# KiCad board pcb.kicad_pcb (continued)
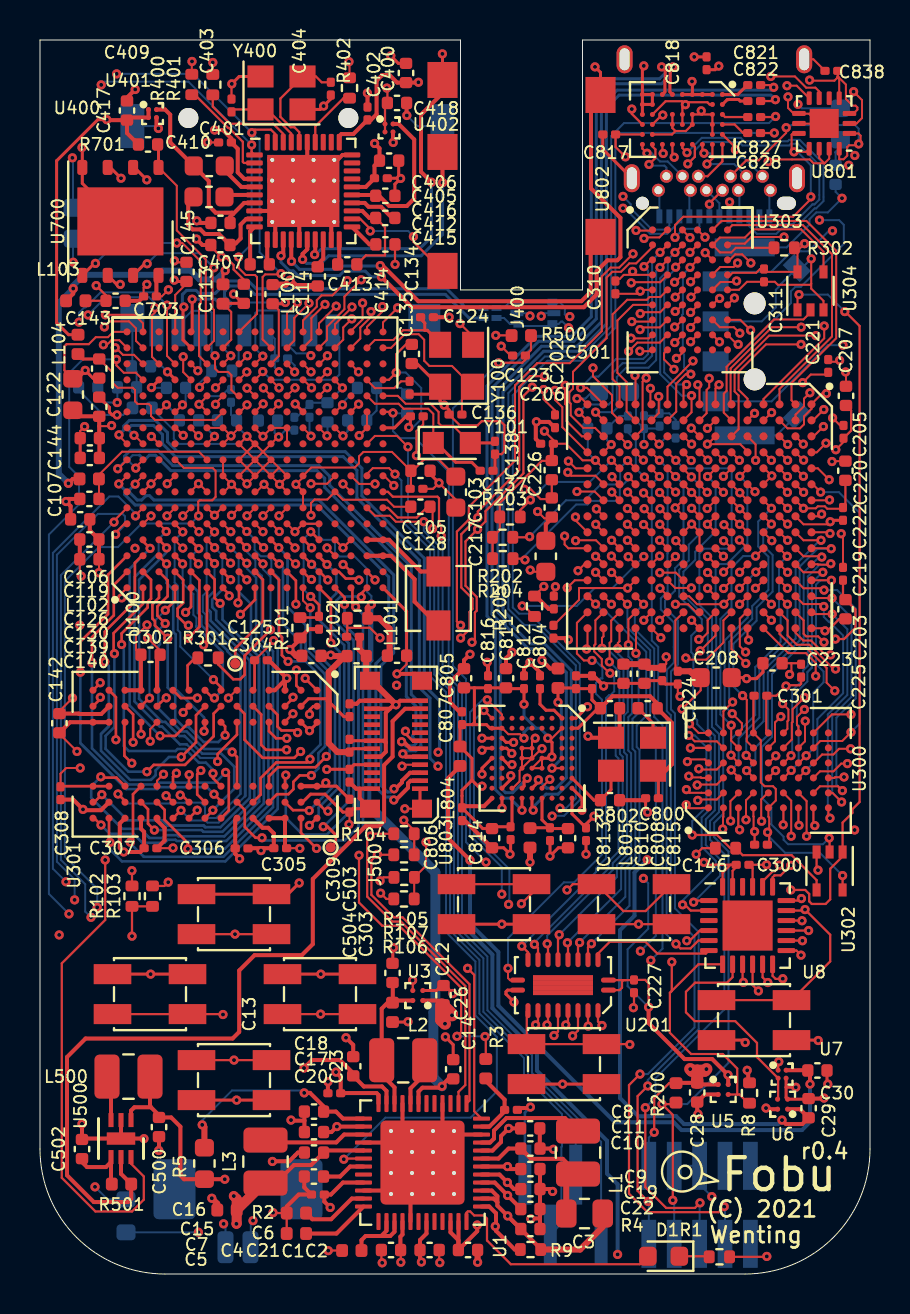
[diagram p0: board, top side]
## Routing (per net, layer and track width the routed paths; a pad name or vN(x,y) marks a point on that pad's centre or on a via; arc(x,y) is an arc through that point) (continued)
  Top w0.3: v1(16.57,33.5) 16.39,33.31 R100.1 16.96,32.8 17.48,32.28 17.48,31.04 C100.1
  In2.Cu w0.5: 14.11,3.72 14.77,3.07 21.24,3.07 v1(21.86,2.45) ; 14.11,3.72 14.11,6.64 14.58,7.11 ; 14.11,3.72 13.1,4.74 v1(9.24,4.74) ; 14.58,7.11 14.58,7.14 16.82,9.39 19.6,9.39 ; 14.58,7.11 v1(14.84,7.38) ; 23.14,7.57 21.33,9.39 19.6,9.39 ; 23.14,7.57 23.16,7.57 24.26,6.47 24.26,4.12 24.01,3.87 23.44,3.87 v1(23.38,3.93) ; 23.14,7.57 v1(23.43,7.28) ; 19.6,9.39 v1(20.1,9.39)
  Bottom w0.1: v1(16.57,33.5) 16.57,33.91 16.35,34.13 16.35,35.27 15.73,35.89 14.97,35.89 14.75,36.11 14.75,36.54 14.57,36.72 14.15,36.72 13.94,36.93 13.94,37.37 13.78,37.53 13.15,37.53 v1(12.75,37.13) ; 16.45,33.38 16.45,26.74 16.47,26.73 16.47,23.39
  Bottom w0.13: v1(16.57,33.5) 16.45,33.38
  Bottom w0.2: 16.74,23.12 16.47,23.39 16.47,30.59 16.57,30.7 v1(16.57,33.5)
  Bottom w0.5: 16.74,23.12 19.77,20.09 19.77,13.19 19.67,13.09 19.67,9.82 v1(20.1,9.39)
KEY_A: length 27.2
  Top w0.11: U8.17 38.2,18.18 v1(38.25,18.23) 39.51,16.97 39.51,15.64 SW_A1.1 SW_A1.1 ; U201.8 24.9,12.58 v1(24.78,12.46)
  In2.Cu w0.11: v1(24.78,12.46) 27.4,15.08 31.63,15.08 34.78,18.23 v1(38.25,18.23)
KEY_B: length 15.9
  Top w0.11: v1(29.49,11.48) 29.47,11.5 SW_B1.1 SW_B1.1 24.34,11.52 24.34,13.11 U201.9 ; U8.10 35.63,14.45 v1(35.92,14.16)
  In2.Cu w0.11: v1(29.49,11.48) 33.24,11.48 v1(35.92,14.16)
KEY_CCW: length 51.9
  Top w0.1: v1(16.06,49.73) 15.22,48.89 15.22,48.26 14.35,47.39 14.35,46.72 U100.N16
  In2.Cu w0.1: v1(16.06,49.73) 16.65,49.73 16.91,49.47 18.49,49.47 19.08,48.88 27.19,48.88 27.48,49.17 27.48,57.39 30.06,59.97 32.04,59.97 32.32,60.25 32.87,60.25 33.09,60.03 35.28,60.03 35.96,60.71 36.92,60.71 39.65,57.98 39.65,52.24
  Bottom w0.1: v1(39.63,52.18) 39.45,52.18 38.42,51.15 38.04,51.15 38.01,51.18 37.61,51.18 36.56,50.13 34.26,50.13 SW600.1
KEY_CW: length 58.6
  Top w0.1: U100.M17 13.15,47.7 13.84,48.39 13.84,48.71 14.08,48.95 14.62,48.95 v1(15.36,49.69)
  In2.Cu w0.1: v1(40.15,46.46) 40.15,47.4 39.24,48.31 39.24,52.41 39.36,52.53 39.36,57.99 36.84,60.51 36.05,60.51 35.37,59.83 32.99,59.83 32.78,60.04 32.41,60.04 32.13,59.76 30.15,59.76 27.69,57.3 27.69,49.07 27.3,48.68 19,48.68 18.45,49.23 16.86,49.23 16.74,49.35 15.7,49.35 v1(15.36,49.69)
  Bottom w0.1: SW600.2 36.58,43.65 39.39,46.46 v1(40.15,46.46)
KEY_DOWN: length 35.2
  Top w0.11: U201.2 27.9,12.63 v1(28.1,12.43) ; U8.11 36.13,14.84 v1(36.39,14.58) ; SW_DOWN1.1 v1(9.7,10.7) SW_DOWN1.1
  In2.Cu w0.11: v1(9.7,10.7) 9.82,10.82 27.3,10.82 28.1,11.62 v1(28.1,12.43) 31.09,12.43 34.01,15.35 35.99,15.35 36.39,14.95 v1(36.39,14.58)
KEY_LEFT: length 39.3
  Top w0.11: v1(9.15,12.98) 9.13,13 SW_LEFT1.1 SW_LEFT1.1 ; v1(37.14,14.77) 37.13,14.76 36.78,14.76 36.63,14.91 U8.12 ; U201.3 27.4,12.41 v1(27.41,12.4)
  In2.Cu w0.11: v1(9.15,12.98) 11.1,11.03 27.06,11.03 27.41,11.38 v1(27.41,12.4) 29.04,14.03 32.06,14.03 33.9,15.87 36.04,15.87 v1(37.14,14.77)
KEY_RIGHT: length 33
  Top w0.11: SW_RIGHT1.1 v1(14.03,13) SW_RIGHT1.1 ; v1(38.05,15.95) 37.82,16.18 U8.13 ; v1(26.63,11.91) 26.9,12.18 U201.4
  In2.Cu w0.11: v1(14.03,13) 17.15,13 18.91,11.24 26.01,11.24 26.63,11.86 v1(26.63,11.91) 26.8,12.08 26.8,12.5 28.54,14.24 31.98,14.24 33.83,16.09 37.91,16.09 v1(38.05,15.95)
KEY_SELECT: length 38.5
  Top w0.11: v1(25.35,12.46) 25.4,12.51 U201.7 ; U8.16 38.09,17.68 v1(38.1,17.67) ; SW_SELECT1.1 SW_SELECT1.1 24.58,19.03 v1(24.07,18.52)
  In2.Cu w0.11: v1(24.07,18.52) 29.78,18.52 30.25,18.99 33.87,18.99 34.06,19.17 36.93,19.17 37.36,19.6 37.82,19.6 38.74,18.68 38.74,18 38.41,17.67 v1(38.1,17.67) 34.52,17.67 31.72,14.87 27.51,14.87 25.35,12.71 v1(25.35,12.46)
KEY_START: length 39.5
  Top w0.11: U201.6 25.9,12.13 v1(25.7,11.93) ; SW_START1.1 31.57,19.45 30.28,18.15 29.17,18.15 SW_START1.1 26.64,19.5 v1(26.35,19.21) ; U8.15 v1(38.43,17.18)
  In2.Cu w0.11: v1(25.7,11.93) 25.85,12.08 25.85,12.91 27.6,14.66 31.8,14.66 34.32,17.18 v1(38.43,17.18) 39.04,17.79 39.04,18.68 37.91,19.81 36.62,19.81 36.2,19.38 33.97,19.38 33.78,19.2 26.36,19.2 v1(26.35,19.21)
KEY_UP: length 38.5
  Top w0.11: U201.5 26.4,12.57 v1(26.29,12.46) ; v1(38.12,16.67) 38.11,16.68 U8.14 ; SW_UP1.1 SW_UP1.1
  In2.Cu w0.11: v1(9.75,17) 13.45,17 19,11.45 25.92,11.45 26.23,11.76 26.23,12.4 v1(26.29,12.46) 28.28,14.45 31.89,14.45 34.11,16.67 v1(38.12,16.67)
LCD_BL_PWM: length 13.4
  Top w0.1: U100.L17 12.35,48.07 v1(12.87,48.59)
  Top w0.11: R500.2 23.57,46.95 v1(22.79,46.95)
  In2.Cu w0.1: v1(12.87,48.59) 13.23,48.95 16.31,48.95 16.47,48.79 18.03,48.79 18.54,48.28 21.46,48.28 v1(22.79,46.95)
MIPI_CKN: length 35.5
  Top w0.1: v1(3.89,40.28) 3.91,40.28 U100.A9
  Top w0.15: v1(22.1,25) 22.1,25.3 U803.J5
  Top w0.2: v1(18.14,26.02) 18.28,25.88 J500.a5
  In2.Cu w0.15: v1(22.1,25) 20.5,25 20.25,24.75 19.35,24.75 19.05,25.05 19.05,25.35 18.38,26.02 v1(18.14,26.02)
  Bottom w0.15: v1(18.14,26.02) 18.29,26.17 18.79,26.17 19.05,26.43 19.05,28.51 18.56,28.99 18.56,35.37 14.48,39.45 14.48,39.9 13.95,40.44 6.64,40.44 5.87,41.2 4.53,41.2 4.23,40.9 4.23,40.62 v1(3.89,40.28)
MIPI_CKP: length 36
  Top w0.1: v1(4.79,40.31) 4.79,40.36 U100.B9
  Top w0.15: v1(23.6,25.48) 23.42,25.48 U803.H5
  Top w0.2: 19,26.28 18.53,26.28 18.18,26.63 v1(18.08,26.63)
  In2.Cu w0.15: v1(23.6,25.48) 20.55,25.48 20.07,25 19.6,25 19.3,25.3 19.3,25.6 18.27,26.63 v1(18.08,26.63)
  Bottom w0.1: v1(4.79,40.31) 4.48,40.62 4.48,40.8 4.63,40.95 4.97,40.95
  Bottom w0.15: 4.97,40.95 5.15,40.78 5.29,40.78 5.47,40.95 5.77,40.95 6.54,40.19 13.85,40.19 14.23,39.8 14.23,39.35 18.31,35.27 18.31,28.89 18.8,28.41 18.8,27.09 18.63,26.93 18.63,26.84 18.8,26.67 18.8,26.53 18.68,26.42 18.29,26.42 v1(18.08,26.63)
MIPI_D0N: length 39.7
  Top w0.1: U100.A8 3.94,39.52 v1(3.94,39.52)
  Top w0.15: v1(22.1,26.8) U803.J3
  Top w0.2: 17.68,23.72 17.8,23.72 18.4,24.32 18.4,24.55 18.52,24.67 J500.a2
  In2.Cu w0.15: v1(22.1,26.8) 22.3,27 22.3,27.13 21.88,27.56 18.06,27.56 17.55,27.05 17.55,25.05 18.1,24.5 18.1,24.1 17.71,23.71 v1(17.69,23.71)
  Bottom w0.15: 17.68,23.72 17.54,23.86 17.27,23.86 16.8,24.34 16.8,30.53 17.44,31.17 17.44,34.87 13.84,38.47 4.76,38.47 4.23,38.99 4.23,39.23 v1(3.94,39.52)
MIPI_D0P: length 40.4
  Top w0.1: U100.B8 4.76,39.53 v1(4.76,39.51)
  Top w0.15: v1(23.68,26.59) 23.31,26.59 U803.H3
  Top w0.2: 19,25.08 18.5,25.08 18.1,24.67 18.1,24.59 17.78,24.27 v1(17.7,24.27)
  In2.Cu w0.15: v1(17.7,24.27) 17.63,24.27 17.3,24.6 17.3,27.15 17.95,27.81 21.98,27.81 23.19,26.59 v1(23.68,26.59)
  Bottom w0.15: v1(17.7,24.27) 17.54,24.11 17.38,24.11 17.05,24.44 17.05,30.43 17.69,31.07 17.69,34.97 13.94,38.72 5.69,38.72 5.48,38.93 5.3,38.93 5.08,38.72 4.86,38.72 4.48,39.1 4.48,39.23 v1(4.76,39.51)
MIPI_D1N: length 33.1
  Top w0.1: v1(3.95,41.97) 3.95,41.92 U100.A10
  Top w0.15: U803.J4 22.2,26.3 v1(22.1,26.2)
  In2.Cu w0.15: v1(19.9,26.1) 20,26.2 v1(22.1,26.2)
  Bottom w0.15: v1(3.95,41.97) 4.19,42.21 4.19,42.41 4.47,42.69 5.77,42.69 6.38,42.09 6.38,41.63 6.87,41.14 15.26,41.14 16.09,40.3 16.09,38.92 19.22,35.8 19.22,29.44 19.97,28.68 19.97,26.13 19.95,26.1 v1(19.9,26.1)
MIPI_D1P: length 34.8
  Top w0.1: v1(4.7,41.95) 4.72,41.95 U100.B10
  Top w0.15: v1(23.59,26.04) 23.33,26.3 U803.H4
  In2.Cu w0.15: v1(19.9,25.4) 20.1,25.4 20.5,25.8 23.35,25.8 v1(23.59,26.04)
  Bottom w0.15: v1(19.9,25.4) 19.5,25.8 19.5,28.8 18.97,29.33 18.97,35.7 15.84,38.82 15.84,40.2 15.16,40.89 6.77,40.89 6.12,41.53 6.12,41.99 5.67,42.44 4.57,42.44 4.44,42.31 4.44,42.21 v1(4.7,41.95)
PEK: length 73.4
  Top w0.1: 21.44,38.37 23.75,40.68 23.75,44.45 24.86,45.56 26.49,45.56 28.09,47.16 28.09,49.9 28.53,50.34 28.96,50.34 v1(29.65,51.03)
  Top w0.11: v1(20.85,11.89) 21.06,12.1 21.06,14.32 17.95,17.42 17.11,17.42 15.95,18.58 v1(15.95,20.95) ; 21.44,38.37 21.44,37.73 20.84,37.13 20.84,32.64 v1(21.03,32.45) ; R3.2 22.29,11.84 v1(22.25,11.88)
  In2.Cu w0.1: v1(21.03,32.45) 18.34,29.76 18.34,29.33 18.07,29.06 17.42,29.06 16.51,28.16 16.51,26.6 15.95,26.04 v1(15.95,20.95)
  In2.Cu w0.11: v1(38.97,52.72) 38.87,52.61 32.9,52.61 32.63,52.34 31.19,52.34 30.82,51.97 30.82,51.74 30.28,51.2 29.82,51.2 v1(29.65,51.03)
  Bottom w0.1: v1(20.85,11.89) 22.24,11.89 v1(22.25,11.88) ; SW600.T 34.63,45.65 37.54,48.57 37.54,49.15 37.77,49.38 38.04,49.38 40.19,51.53 40.19,52.48 39.95,52.72 v1(38.97,52.72)
PMU_IRQ: length 61.9
  Top w0.1: v1(3.82,45.75) 3.82,45.45 4.19,45.08 4.8,45.08 U100.B14
  Top w0.11: U1.48 21.71,8.14 21.71,14.96 v1(21.38,15.29)
  In2.Cu w0.11: v1(21.38,15.29) 21.22,15.12 17.56,15.12 15.24,17.45 2.01,17.45 v1(1.45,18.01)
  Bottom w0.1: v1(3.82,45.75) 2.14,45.75 1.46,45.07 1.46,40.37 1.95,39.88 1.95,38.49 0.44,36.98 0.44,19.02 v1(1.45,18.01)
SAI1_TX_BCLK: length 38.2
  Top w0.1: v1(15.45,60.64) 15.47,60.62 R402.2 ; U100.B5 5.16,37.53 v1(5.55,37.92)
  In2.Cu w0.1: v1(15.45,60.64) 15.06,61.03 7.37,61.03 6.93,60.59 6.93,59.89 6.95,59.87 6.95,59.72 1.08,53.85 1.08,40.62 3.32,38.38 5.09,38.38 v1(5.55,37.92)
SAI1_TX_DATA0: length 30
  Top w0.1: U100.D6 6.35,37.92 v1(6.35,37.92) ; v1(7.6,60.65) 7.59,60.64 R400.2
  In2.Cu w0.1: v1(7.6,60.65) 7.6,60.09 1.28,53.77 1.28,40.77 3.43,38.62 5.65,38.62 v1(6.35,37.92)
SAI1_TX_SYNC: length 27.9
  Top w0.1: U100.D8 6.75,39.92 v1(6.36,39.53)
  Top w0.11: R401.2 v1(8.64,60.6)
  In2.Cu w0.1: 2.31,54.27 2.31,49.09 2.84,48.56 2.84,47.87 2.57,47.6 2.57,47.35 2.37,47.15 2.37,45.75 2.65,45.47 2.65,41.52 3.43,40.74 5.16,40.74 5.58,40.33 5.58,40.31 v1(6.36,39.53)
  In2.Cu w0.11: 2.31,54.27 v1(8.64,60.6)
SAI4_RX_BCLK: length 19.5
  Top w0.1: U200.K14 30.98,32.7 v1(30.98,32.7) ; U100.R8 15.95,39.52 v1(16.75,39.52)
  In2.Cu w0.1: v1(30.98,32.7) 30.59,32.31 30.02,32.31 29.86,32.47 27.19,32.47 26.91,32.76 23.21,32.76 16.75,39.21 v1(16.75,39.52)
SAI4_RX_DATA: length 22.7
  Top w0.1: v1(31.04,31.83) 31.04,31.83 U200.L15 ; v1(13.55,39.53) 14.36,39.53 U100.P8
  In2.Cu w0.1: v1(31.04,31.83) 30.22,31.83 29.78,32.27 27.11,32.27 26.82,32.56 23.13,32.56 17.32,38.36 15.13,38.36 13.96,39.53 v1(13.55,39.53)
SAI4_RX_SYNC: length 17.1
  Top w0.1: U100.U8 17.21,39.92 v1(17.69,39.44) ; v1(30.19,32.7) 30.19,32.72 U200.L14
  In2.Cu w0.1: v1(17.69,39.44) 17.69,38.57 23.28,32.98 26.98,32.98 27.26,32.7 v1(30.19,32.7)
SD_CLK: length 1.6
  Top w0.1: U100.F14 v1(7.97,44.35)
  Bottom w0.1: v1(7.97,44.35) 7.97,44.56 R700.2
SD_CMD: length 10.5
  Top w0.1: v1(7.16,45.88) 7.16,45.11 U100.E14
  In2.Cu w0.1: v1(13.54,45.94) 11.71,45.94 11.03,46.62 7.68,46.62 7.16,46.1 v1(7.16,45.88)
  Bottom w0.1: CARD700.3 12.42,46.44 12.81,46.05 13.43,46.05 v1(13.54,45.94)
SD_D0: length 2.6
  Top w0.1: v1(7.89,45.18) 7.89,45.18 U100.E15
  Bottom w0.1: CARD700.7 8.02,45.31 v1(7.89,45.18)
SD_D1: length 7.4
  Top w0.1: v1(8.75,45.93) 8.75,45.29 8.92,45.12 9.41,45.12 9.57,44.96 9.57,44.22 9.86,43.92 U100.H13
  Bottom w0.1: v1(8.75,45.93) 8.58,46.1 8.58,48.1 8.5,48.18 7.6,48.18 6.92,47.5 CARD700.8
SD_D2: length 7
  Top w0.1: U100.J14 11.14,45.11 v1(11.14,45.14)
  Bottom w0.1: CARD700.1 14.97,46.84 14.97,44.99 14.71,44.73 11.55,44.73 v1(11.14,45.14)
SD_D3: length 6.3
  Top w0.1: U100.J15 11.14,45.91 v1(11.14,45.91)
  Bottom w0.1: CARD700.2 13.52,47.65 12.97,48.19 10.9,48.19 10.77,48.07 10.77,46.28 v1(11.14,45.91)
SDRAM_A0: length 22.4
  Top w0.13: U100.A3 3.4,34.97 3.4,33.01 2.02,31.63 v1(2.02,30.1) ; U301.G8 9.05,23.65 v1(8.7,24)
  Bottom w0.1: v1(8.7,24) 8.35,24.35
  Bottom w0.13: v1(2.02,30.1) 2.02,26.55 4.3,24.27 ; 2.06,26.51 4.3,24.27 ; 4.3,24.27 4.31,24.25 5.87,24.25 5.97,24.35 8.35,24.35 v1(8.7,24)
SDRAM_A1: length 19.8
  Top w0.13: U301.G9 9.44,23.19 9.44,24.93 v1(9.28,25.09) ; v1(2.6,30.57) 2.6,31.86 3.69,32.95 3.69,34.46 U100.A2
  Bottom w0.13: v1(9.28,25.09) 8.77,24.58 5.87,24.58 5.77,24.48 4.41,24.48 2.6,26.29 v1(2.6,30.57)
SDRAM_A2: length 13.9
  Top w0.13: v1(9.61,26.11) 9.85,25.87 U301.F7 ; v1(6.26,32.54) 5.87,32.93 5.87,33.39 6.38,33.9 6.38,34.69 U100.C2
  Bottom w0.1: v1(6.26,32.54) 6,32.28 6,31.51
  Bottom w0.13: 6,31.51 5.92,31.42 5.92,28.29 7.07,27.14 7.33,27.14 8.21,26.26 9.45,26.26 v1(9.61,26.11)
SDRAM_A3: length 17.5
  Top w0.1: v1(6.31,37.14) 6.31,37.17 U100.C5
  Top w0.13: U301.F3 9.85,26.98 8.88,26.01 v1(8.88,25.63)
  Bottom w0.1: 8.02,25.81 8.7,25.81 v1(8.88,25.63) ; v1(6.31,37.14) 5.93,36.76 5.93,36.05
  Bottom w0.11: 7.33,26.49 7.34,26.49 8.02,25.81
  Bottom w0.13: 7.33,26.49 7.32,26.5 6.99,26.5 6.1,27.38 5.98,27.38 4.72,28.64 4.72,34.85 5.93,36.05
SDRAM_A4: length 9.6
  Top w0.1: U100.D5 6.75,37.51 v1(7.14,37.12)
  Top w0.13: v1(8.67,29.73) 9.05,29.35 U301.G1
  Bottom w0.1: v1(7.14,37.12) 6.73,36.71 6.73,34.59 6.89,34.43 6.89,32.21 7.02,32.08 7.02,31.38 v1(8.67,29.73)
SDRAM_A5: length 17.1
  Top w0.13: U301.G2 8.68,28.03 8.68,26.9 7.25,25.46 5.69,25.46 v1(5.35,25.13) ; v1(3.72,31.03) 3.68,31.07 3.68,32.05 5.15,33.53 U100.B1
  Bottom w0.13: v1(5.35,25.13) 4.42,25.13 3.28,26.27 3.28,26.92 3.72,27.36 v1(3.72,31.03)
SDRAM_A6: length 11.4
  Top w0.13: v1(6.38,31.8) 5.75,32.44 5.75,32.66 5.62,32.78 5.62,33.5 5.95,33.83 U100.C1 ; v1(9.26,26.95) 9.26,27.39 U301.G3
  Bottom w0.13: 7.42,27.37 7.69,27.1 ; 7.42,27.37 7.69,27.1 ; 7.42,27.37 7.17,27.37 6.76,27.78 6.76,28.95 6.38,29.33 v1(6.38,31.8) ; 7.69,27.1 8.18,26.61 8.92,26.61 v1(9.26,26.95)
SDRAM_A7: length 8.9
  Top w0.13: v1(8.72,28.81) 8.64,28.81 U301.H1 ; v1(7.13,35.52) 7.13,35.55 U100.D3
  Bottom w0.1: 7.82,32.42 7.82,32.82 7.67,32.97 7.67,34.01 7.13,34.55 v1(7.13,35.52)
  Bottom w0.13: 7.82,32.42 7.82,32.37 8.33,31.87 8.37,31.87 9.14,31.09 9.14,29.23 v1(8.72,28.81)
SDRAM_A8: length 19.9
  Top w0.13: U100.B3 5.09,35.92 4.75,35.58 4.75,33.64 3.24,32.13 v1(3.24,30.62) ; U301.H2 7.8,27.95 7.8,26.6 v1(7.06,25.86)
  Bottom w0.1: 5.55,24.72 5.78,24.95
  Bottom w0.13: 3.44,27.4 3.44,30.42 v1(3.24,30.62) ; 3.44,27.4 3.05,27.01 3.05,26.17 4.5,24.72 ; 3.44,27.4 3.09,27.05 ; 5.56,24.73 5.78,24.95 5.78,25.19 6.45,25.86 v1(7.06,25.86) ; 5.55,24.72 4.54,24.72
SDRAM_A9: length 12.7
  Top w0.13: U301.J3 6.77,26.92 v1(6,26.92) ; v1(5.51,36.3) 5.15,36.65 U100.B4
  Bottom w0.13: v1(6,26.92) 4.48,28.44 4.48,35.27 v1(5.51,36.3)
SDRAM_A10: length 15.6
  Top w0.13: U100.B2 5.55,34.72 5.55,33.78 5.38,33.61 5.38,33.34 4.08,32.04 v1(4.08,31.49) ; U301.G7 8.65,24.8 v1(8.65,25.04)
  Bottom w0.13: v1(8.65,25.04) 8.65,25.22 8.29,25.58 7.94,25.58 7.26,26.26 6.88,26.26 6.78,26.16 4.44,26.16 4.19,26.41 4.19,31.38 v1(4.08,31.49)
SDRAM_A11: length 18
  Top w0.13: v1(8.64,23.2) 8.64,23.19 U301.H9 ; U100.C4 6.33,36.34 v1(6.33,36.32)
  Bottom w0.1: 6.3,36.06 6.33,36.1 v1(6.33,36.32)
  Bottom w0.13: 6.3,36.06 4.95,34.72 4.95,28.77 6.11,27.61 6.27,27.61 6.97,26.91 7.21,26.91 ; 7.21,26.91 7.22,26.9 ; 7.21,26.91 7.23,26.91 8.11,26.03 9.06,26.03 9.71,25.38 9.71,24.27 v1(8.64,23.2)
SDRAM_A12: length 10.2
  Top w0.13: v1(6.33,35.52) 5.95,35.9 U100.C3 ; U301.H3 8.25,27.2 v1(8.2,27.15)
  Bottom w0.13: v1(8.2,27.15) 8.2,27.84 6.79,29.25 6.79,31.99 6.66,32.11 6.66,34.23 6.33,34.56 v1(6.33,35.52)
SDRAM_BA0: length 15
  Top w0.13: v1(7.46,24.98) 7.45,24.97 U301.J7 ; v1(9.53,34.73) 9.15,35.11 U100.G2
  In2.Cu w0.1: 10.42,29.07 8.62,27.26 ; 7.45,25.73 7.45,25.71
  In2.Cu w0.13: v1(7.46,24.98) 7.45,24.98 7.45,25.71 ; v1(9.53,34.73) 10.42,33.84 10.42,29.07 8.62,27.26 8.62,26.9 7.45,25.73
SDRAM_BA1: length 15.7
  Top w0.13: v1(10.34,34.72) 9.95,35.11 U100.H2 ; U301.H8 7.86,23.99 7.86,25 v1(8.04,25.18)
  In2.Cu w0.1: 10.66,28.97 8.86,27.16
  In2.Cu w0.13: v1(10.34,34.72) 10.66,34.4 10.66,28.97 8.86,27.16 8.86,26.8 8.04,25.98 v1(8.04,25.18)
SDRAM_CAS: length 17.7
  Top w0.1: v1(11.15,37.13) 10.75,37.53 U100.J5
  Top w0.13: v1(6.82,25.05) 6.65,24.88 U301.K7
  In2.Cu w0.13: v1(11.15,37.13) 10.75,36.73 10.75,35.33 10.89,35.19 10.89,25.83 9.55,24.49 7.38,24.49 v1(6.82,25.05)
SDRAM_CKE: length 11.2
  Top w0.1: U100.G5 9.15,37.52 v1(9.54,37.13)
  Top w0.13: U301.J2 7.16,28.11 v1(7.16,28.09)
  In2.Cu w0.13: v1(9.54,37.13) 9.13,36.72 9.13,34.98 8.58,34.43 8.58,31.21 6.98,29.61 6.98,28.27 v1(7.16,28.09)
SDRAM_CLK: length 8.9
  Top w0.13: R301.1 8.91,30.5 9.66,29.75 10.01,29.75 10.23,29.97 10.23,30.93 v1(11.52,32.22) ; U100.J3 11.15,35.53 v1(11.15,35.52)
  Bottom w0.1: v1(11.52,32.22) 11.52,34.88 11.15,35.25 v1(11.15,35.52)
SDRAM_CS0: length 21.4
  Top w0.1: v1(7.14,37.92) 7.14,37.92 U100.E6
  Top w0.13: v1(7.01,23.95) 7.1,23.95 U301.J8
  In2.Cu w0.13: v1(7.01,23.95) 6.59,23.53 4.98,23.53 2.26,26.25 2.26,29.72 2.74,30.2 3.56,30.2 4.9,31.54 4.9,33.23 6.73,35.06 6.73,37.51 v1(7.14,37.92)
SDRAM_D0: length 25.9
  Top w0.13: U100.F3 8.73,35.55 v1(8.73,35.54) ; v1(3.09,23.98) 2.71,23.6 U301.R8
  Bottom w0.1: 6.1,22.7 6.38,22.42 8.17,22.42 8.24,22.35 9.02,22.35 ; 8.71,34.15 8.73,34.17 v1(8.73,35.54)
  Bottom w0.13: 8.18,22.43 8.18,22.44 6.36,22.44 6.1,22.7 4.37,22.7 v1(3.09,23.98) ; 8.18,22.43 8.25,22.36 ; 8.18,22.43 8.26,22.35 9.02,22.35 10.49,23.82 10.49,30.69 9.83,31.35 9.83,31.38 8.53,32.68 8.53,33.11 ; 8.38,33.26 8.38,33.83 8.71,34.15 ; 8.38,33.26 8.53,33.11 ; 8.38,33.26 8.53,33.11
SDRAM_D1: length 33
  Top w0.13: v1(9.01,33.54) 8.73,33.82 8.73,34.75 U100.F2 ; v1(3.04,24.87) 3.08,24.83 3.82,24.83 U301.N7
  Bottom w0.13: 5.45,21.83 5.01,22.27 ; 5.01,22.27 4.11,22.27 2.56,23.82 2.56,24.39 v1(3.04,24.87) ; 5.01,22.27 5.47,21.81 6.12,21.81 6.26,21.95 6.87,21.95 6.93,21.89 9.21,21.89 10.95,23.63 ; v1(9.01,33.54) 9.13,33.42 9.13,32.73 10.29,31.57 10.29,31.54 10.95,30.88 10.95,23.63 ; 10.95,30.79 10.95,23.63
SDRAM_D2: length 24.6
  Top w0.13: U100.G4 9.15,36.72 v1(9.54,36.33) ; U301.R9 2.71,22.8 v1(3.05,22.46)
  Bottom w0.1: v1(9.54,36.33) 9.93,35.94 9.93,34.13 ; 5.12,21.57 4.67,22.02
  Bottom w0.13: v1(3.05,22.46) 3.49,22.02 4.67,22.02 5.12,21.57 6.23,21.57 6.38,21.72 6.77,21.72 6.83,21.66 9.31,21.66 11.19,23.54 11.19,30.96 10.55,31.6 10.55,33.51 9.93,34.13
SDRAM_D3: length 22
  Top w0.13: U301.N8 4.25,23.66 v1(3.9,24.01) ; v1(7.94,36.28) 7.55,36.67 U100.E4
  Bottom w0.1: v1(7.94,36.28) 7.53,35.87 7.53,34.51 ; v1(3.9,24.01) 4.38,23.53 6.49,23.53 6.53,23.57 7.23,23.57 7.24,23.58 8.04,23.58 8.25,23.37 8.25,23.01 8.45,22.81 8.82,22.81 10.03,24.02
  Bottom w0.13: 10.03,24.02 10.03,30.49 9.37,31.15 9.37,31.19 8.46,32.1 8.42,32.1 8.07,32.45 8.07,32.89 7.9,33.06 7.9,34.14 7.53,34.51
SDRAM_D4: length 26.8
  Top w0.1: U100.H5 9.95,37.53 v1(10.34,37.14)
  Top w0.13: U301.P9 3.45,21.64 v1(3.5,21.59)
  Bottom w0.1: v1(10.34,37.14) 10.73,36.75 10.73,36.21 11.04,35.9 11.37,35.9 11.57,35.71 11.57,35.17 11.6,35.13
  Bottom w0.13: 11.6,35.13 11.92,34.82 11.92,32.03 12.11,31.84 12.11,31.5 11.88,31.27 11.88,23.26 9.27,20.64 4.1,20.64 3.5,21.24 v1(3.5,21.59)
SDRAM_D5: length 21.9
  Top w0.13: U301.M8 5.4,23.25 5.4,22.52 v1(5.72,22.21) ; v1(8.73,36.33) 8.73,36.35 U100.F4
  Bottom w0.1: v1(8.73,36.33) 9.12,35.94 9.12,34.24 ; 8.17,22.12 8.08,22.21
  Bottom w0.13: v1(5.72,22.21) 8.08,22.21 8.17,22.12 9.12,22.12 10.72,23.72 10.72,30.78 10.06,31.44 10.06,31.48 8.81,32.73 8.81,33.16 8.61,33.36 8.61,33.73 9.12,34.24
SDRAM_D6: length 26.6
  Top w0.13: v1(10.33,36.34) 9.95,36.72 U100.H4 ; U301.M7 4.65,24 4.65,21.74 v1(4.52,21.6)
  Bottom w0.1: 5.16,20.9 4.44,21.62 ; v1(10.33,36.34) 10.33,36.14 10.77,35.7 10.77,35.24 11.09,34.92
  Bottom w0.13: 11.09,34.92 11.09,31.71 11.65,31.15 11.65,23.35 9.17,20.87 5.19,20.87 4.52,21.54 v1(4.52,21.6)
SDRAM_D7: length 21
  Top w0.13: U301.L8 6.23,23.22 6.23,22.72 7.39,21.56 v1(7.39,21.26) ; v1(10.34,35.55) 9.97,35.92 U100.H3
  Bottom w0.1: 10.8,34.83 10.34,35.29 v1(10.34,35.55)
  Bottom w0.13: 10.8,34.83 10.8,31.67 11.42,31.06 11.42,23.45 9.24,21.26 v1(7.39,21.26)
SDRAM_D8: length 8.6
  Top w0.13: U100.E3 7.92,35.56 v1(7.92,35.52) ; v1(6.31,28.82) 6.27,28.82 U301.L2
  In2.Cu w0.13: v1(7.92,35.52) 7.92,31.8 7.77,31.66 7.77,31.41 6.31,29.95 v1(6.31,28.82)
SDRAM_D9: length 10.3
  Top w0.13: v1(7.42,32.45) 7.33,32.45 6.88,32.9 6.88,33.29 7.16,33.57 7.16,34.72 U100.D2 ; v1(5.06,27) 5.05,27.01 U301.M3
  In2.Cu w0.13: v1(5.06,27) 5.06,29.4 7.01,31.35 7.01,32.04 v1(7.42,32.45)
SDRAM_D10: length 6.6
  Top w0.13: U100.D1 6.75,33.68 v1(6.27,33.2) ; U301.M2 5.46,28.81 v1(5.48,28.81)
  Bottom w0.1: v1(5.48,28.81) 5.48,31.33 5.78,31.63 5.78,32.71 v1(6.27,33.2)
SDRAM_D11: length 15.3
  Top w0.13: v1(3.79,26.72) 3.79,28.86 U301.P1 ; U100.E2 7.97,34.7 7.97,32.37 v1(7.41,31.8)
  In2.Cu w0.13: v1(7.41,31.8) 7.41,31.4 5.92,29.91 5.92,27.56 6.43,27.05 6.43,26.79 5.9,26.25 4.88,26.25 4.81,26.19 4.33,26.19 v1(3.79,26.72)
SDRAM_D12: length 10.9
  Top w0.13: U301.N2 4.66,27.99 v1(4.66,26.6) ; v1(7.28,33.1) 7.55,33.37 U100.E1
  In2.Cu w0.13: v1(7.28,33.1) 6.78,32.6 6.78,31.61 4.66,29.49 v1(4.66,26.6)
SDRAM_D13: length 16.9
  Top w0.13: v1(3.01,29.57) 3.01,29.56 U301.R1 ; v1(8.18,31.47) 8.35,31.64 U100.F1
  In2.Cu w0.1: 6.01,26.04 6.71,26.74
  In2.Cu w0.13: v1(8.18,31.47) 6.71,30 6.71,26.74 6.66,26.69 6.66,26.69 6.01,26.04 ; 6.01,26.04 5.93,25.96 3.97,25.96 3.4,26.53 3.4,26.91 3.41,26.92 3.41,29.18 v1(3.01,29.57)
SDRAM_D14: length 15
  Top w0.13: v1(9.46,33.92) 9.46,33.99 9.15,34.3 U100.G1 ; v1(4.59,25.55) 4.22,25.92 4.22,27.57 U301.N3
  In2.Cu w0.1: 7.55,27.33 7.55,28.26 7.27,28.54
  In2.Cu w0.13: 7.27,28.54 7.27,29.58 8.84,31.15 8.84,32.71 9.46,33.33 v1(9.46,33.92) ; 7.55,28.26 7.55,28.26 7.55,27.26 6.89,26.6 6.89,26.59 6.1,25.81 6.1,25.81 6.02,25.73 4.77,25.73 v1(4.59,25.55)
SDRAM_D15: length 17.6
  Top w0.13: U301.R2 3.01,28.76 v1(3.01,28.85) ; v1(9.9,33.57) 9.95,33.62 U100.H1
  In2.Cu w0.1: 7.48,29.43 7.48,28.63 7.78,28.33 7.78,27.15 6.14,25.51 5.17,25.51 4.8,25.14 4.8,25.1
  In2.Cu w0.13: v1(3.01,28.85) 3.01,26.34 4.25,25.1 4.8,25.1 ; v1(9.9,33.57) 9.9,33.44 9.07,32.61 9.07,31.02 7.5,29.45
SDRAM_D16: length 15.4
  Top w0.13: v1(13.5,25.75) 13.34,25.59 11.81,25.59 11.03,24.81 11.03,23.98 U301.E8 ; v1(12.41,30.64) 12.09,30.95 12.09,31.86 11.95,32 11.95,34.72 U100.K2
  Bottom w0.13: v1(13.5,25.75) 13.5,25.96 14.02,26.48 14.02,29.91 13.29,30.64 v1(12.41,30.64)
SDRAM_D17: length 18.4
  Top w0.13: U301.D7 11.45,24.9 11.9,25.35 13.78,25.35 v1(14.32,25.89) ; v1(11.94,36.33) 11.94,36.34 U100.K4
  Bottom w0.1: 12.38,35.89 12.38,33.36
  Bottom w0.13: v1(11.94,36.33) 12.38,35.89 12.38,33.38 ; 12.38,33.38 12.39,33.37 ; 12.38,33.38 12.38,33.36 13.28,32.46 13.28,31.3 14.48,30.1 14.48,26.05 v1(14.32,25.89)
SDRAM_D18: length 17
  Top w0.13: U100.K3 11.95,35.52 v1(11.96,35.52) ; U301.D8 11.85,24 12.42,24 12.67,24.25 12.67,24.62 12.99,24.94 v1(13.56,24.94)
  Bottom w0.1: 14.25,30 13.06,31.19
  Bottom w0.13: 13.06,31.19 13.06,31.19 ; 13.06,31.19 13.05,31.2 13.05,31.62 12.15,32.52 12.15,35.33 v1(11.96,35.52) ; 13.06,31.19 14.25,30 14.25,26.39 13.92,26.06 13.92,25.29 v1(13.56,24.94)
SDRAM_D19: length 18.7
  Top w0.13: U301.B9 13.05,22.06 v1(13.82,21.29) ; U100.R1 15.62,34.25 15.62,33.53 v1(15.78,33.37)
  Bottom w0.1: 13.82,21.33 15.18,21.33
  Bottom w0.13: v1(13.82,21.29) 15.14,21.29 15.3,21.45 15.32,21.45 16.15,22.28 16.15,33 v1(15.78,33.37) 16.14,33.01
SDRAM_D20: length 21.2
  Top w0.1: U100.M1 13.15,33.69 v1(13.51,33.32)
  Top w0.13: v1(13.46,23.18) 13.44,23.2 12.65,23.2 U301.C8
  Bottom w0.1: 14.75,24.47 14.75,30.15 13.51,31.39
  Bottom w0.13: v1(13.46,23.18) 14.75,24.47 14.75,30.15 13.51,31.39 v1(13.51,33.32)
SDRAM_D21: length 14.1
  Top w0.13: U301.A9 13.83,22.8 v1(13.47,22.44) ; v1(14.55,31.56) 14.55,33.73 U100.N1
  Bottom w0.1: v1(13.47,22.44) 13.92,22.89
  Bottom w0.13: 13.93,22.9 13.93,23.33 14.98,24.37 14.98,31.13 v1(14.55,31.56) ; 13.93,22.9 13.92,22.89 ; 13.93,22.9 v1(13.47,22.44)
SDRAM_D22: length 19.6
  Top w0.13: U100.T1 16.06,34.03 v1(16.06,33.86) ; U301.C7 12.25,24.91 v1(12.29,24.95)
  Bottom w0.13: v1(12.29,24.95) 12.29,22.82 13.13,21.98 14.34,21.98 15.67,23.31 15.67,31.69 14.82,32.55 14.82,33.68 15.03,33.89 16.03,33.89 v1(16.06,33.86)
SDRAM_D23: length 14.7
  Top w0.13: v1(14.4,23.15) 14.3,23.15 U301.A8 ; U100.M3 13.58,35.5 v1(13.58,35.5)
  Bottom w0.13: v1(13.58,35.5) 13.99,35.09 13.99,32.67 15.21,31.45 15.21,24.22 14.4,23.4 v1(14.4,23.15)
SDRAM_D24: length 9.3
  Top w0.13: U100.N2 13.98,35.12 v1(14.39,34.72) ; v1(13.47,28) 13.49,28.02 13.49,28.23 13.66,28.4 U301.A2
  In2.Cu w0.13: v1(14.39,34.72) 14.18,34.51 14.18,31.83 14.16,31.8 ; 14.14,31.79 14.14,28.66 v1(13.47,28) 14.12,28.65 ; 14.14,31.79 14.16,31.8 ; 14.14,31.79 14.16,31.8
SDRAM_D25: length 11.4
  Top w0.13: v1(12.65,28.03) 12.25,27.62 U301.C3 ; v1(15.15,35.49) 15.19,35.49 U100.R2
  In2.Cu w0.13: v1(12.65,28.03) 13.08,27.6 13.97,27.6 15.01,28.63 15.01,32.78 14.59,33.2 14.59,33.79 15.13,34.33 15.13,35.47 v1(15.15,35.49)
SDRAM_D26: length 9.9
  Top w0.13: v1(12.75,36.32) 12.75,36.33 U100.L4 ; v1(13.26,29.8) 13.26,29.79 U301.A1
  In2.Cu w0.13: 12.38,33.72 13.18,34.52 13.18,35.89 v1(12.75,36.32) ; 12.38,33.72 12.38,32.17 13.26,31.29 v1(13.26,29.8) ; 12.38,33.72 13.14,34.49
SDRAM_D27: length 8.4
  Top w0.13: U100.M2 13.53,34.74 v1(13.58,34.74) ; U301.C2 12.65,28.8 v1(12.65,28.85)
  In2.Cu w0.13: v1(13.58,34.74) 13.93,34.39 13.93,31.9 13.89,31.87 13.89,29.07 13.67,28.85 v1(12.65,28.85)
SDRAM_D28: length 9.6
  Top w0.1: v1(11.96,37.14) 11.58,37.53 U100.K5
  Top w0.13: U301.B1 12.82,29.43 v1(12.82,30.21)
  In2.Cu w0.13: v1(12.82,30.21) 12.25,30.21 12.01,30.45 12.01,31.4 12.09,31.48 12.09,33.76 12.36,34.02 12.36,35.71 12.35,35.72 12.35,36.76 v1(11.96,37.14)
